# Altium PCB 驰风队20200806.PcbDoc (part 2 of 3)
Units mil, origin at the board's own origin, x right, y up, seen from the top; angles counter-clockwise.
Board outline 3947.04 x 2372.23 mil, 2 copper layers (Top Layer, Bottom Layer); 111 components, 82 nets, 374 pads, 168 vias.
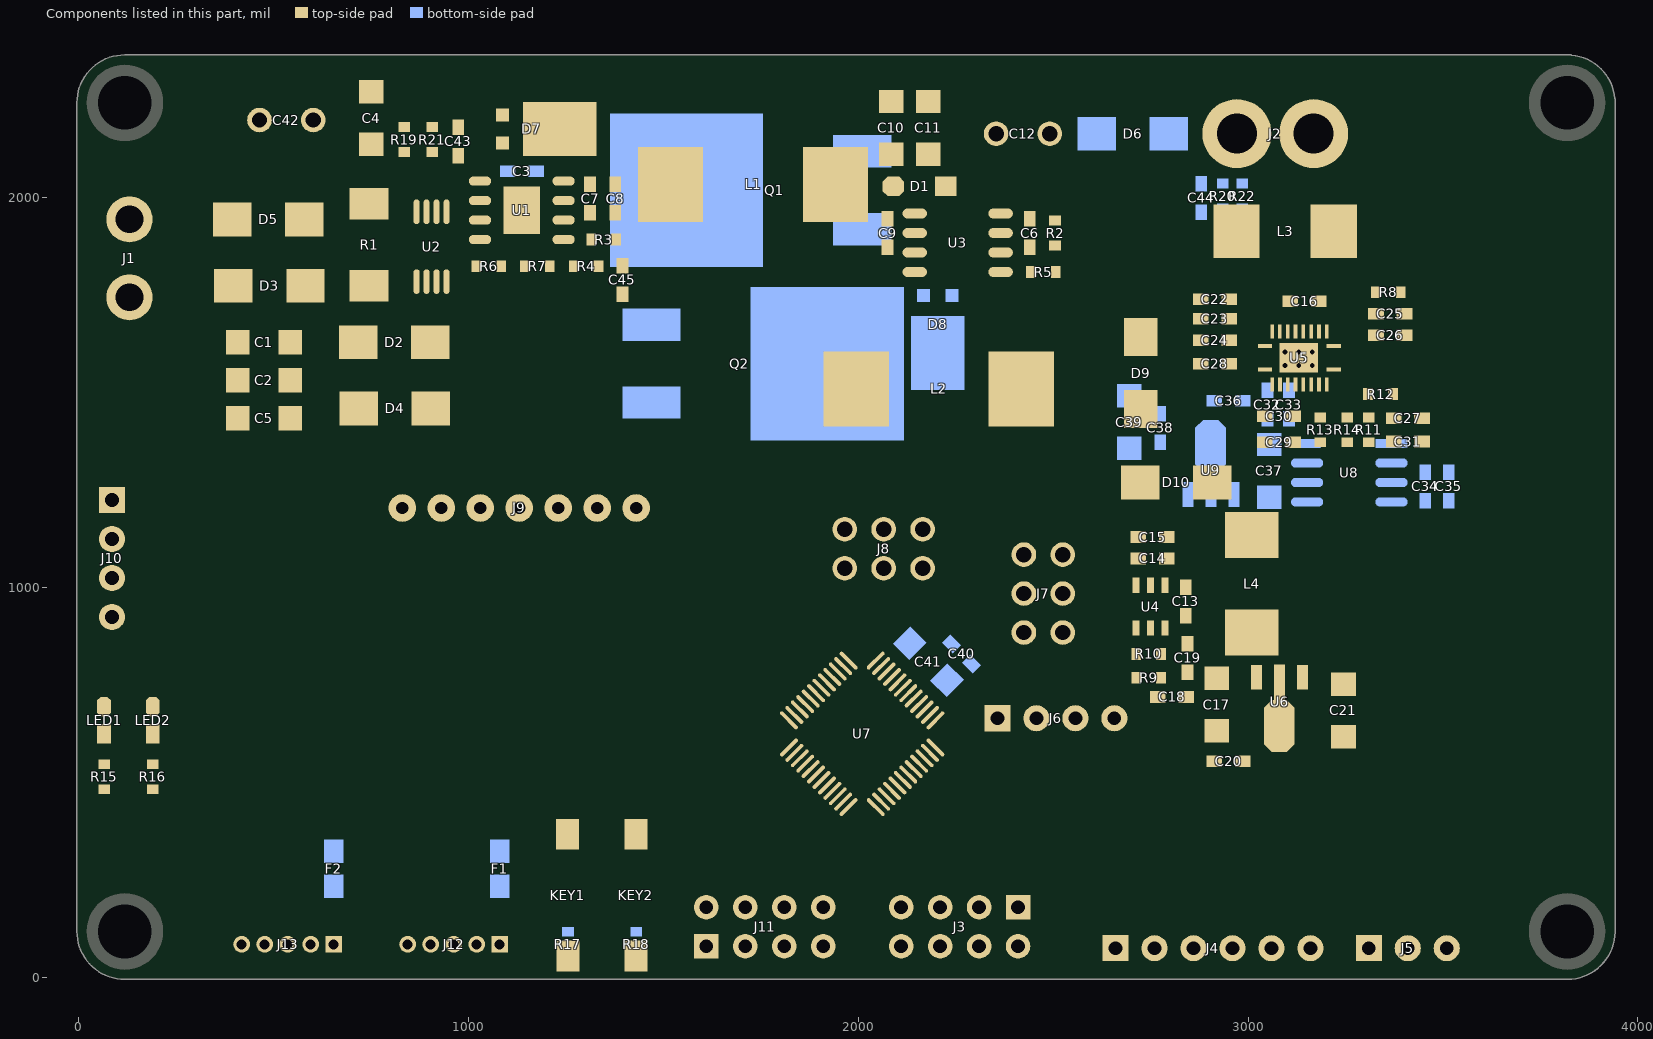
[diagram p2: the components of this part, seen from the top]

## Via types
v1: diameter 20, hole 12, Top Layer to Bottom Layer, 162 vias
v2: diameter 19.68, hole 7.87, Top Layer to Bottom Layer, 6 vias

## Nets (pads, with @x,y where several pads share a name; then routed paths per layer and width w, separated by ;. In a path a pad name is that pad's centre, name@x,y a point inside that pad or via, vN(x,y) a via of type N, cw(c..) or ccw(c..) an arc to the next point about the centre after c; other vN are vias at no path point) (continued)
copper on no net: (continued)
  Top Layer w1.5: 3445,1894.5 3455.5,1894.5 ; 3445,1896 3455.5,1896 ; 3445,1897.5 3455.5,1897.5 ; 3445,1899 3455.5,1899 ; 3445,1900.5 3455.5,1900.5 ; 3445,1902 3455.5,1902 ; 3445,1903.5 3455.5,1903.5 ; 3445,1905 3455.5,1905 ; 3445,1906.5 3455.5,1906.5 ; 3445,1908 3455.5,1908 ; 3445,1909.5 3455.5,1909.5 ; 3445,1911 3455.5,1911 ; 3445,1912.5 3455.5,1912.5 ; 3445,1914 3455.5,1914 ; 3446.5,1876.5 3457,1876.5 ; 3446.5,1878 3457,1878 ; 3446.5,1879.5 3457,1879.5 ; 3446.5,1881 3457,1881 ; 3446.5,1882.5 3457,1882.5 ; 3446.5,1884 3457,1884 ; 3446.5,1885.5 3457,1885.5 ; 3446.5,1887 3455.5,1887 ; 3446.5,1888.5 3455.5,1888.5 ; 3446.5,1890 3455.5,1890 ; 3446.5,1891.5 3455.5,1891.5 ; 3446.5,1893 3455.5,1893 ; 3446.5,1915.5 3455.5,1915.5 ; 3446.5,1917 3455.5,1917 ; 3446.5,1918.5 3455.5,1918.5 ; 3446.5,1920 3455.5,1920 ; 3446.5,1921.5 3455.5,1921.5 ; 3446.5,1923 3455.5,1923 ; 3446.5,1924.5 3457,1924.5 ; 3446.5,1926 3457,1926 ; 3446.5,1927.5 3457,1927.5 ; 3446.5,1929 3457,1929 ; 3446.5,1930.5 3457,1930.5 ; 3448,1867.5 3458.5,1867.5 ; 3448,1869 3458.5,1869 ; 3448,1870.5 3458.5,1870.5 ; 3448,1872 3458.5,1872 ; 3448,1873.5 3457,1873.5 ; 3448,1875 3457,1875 ; 3448,1932 3457,1932 ; 3448,1933.5 3457,1933.5 ; 3448,1935 3457,1935 ; 3448,1936.5 3458.5,1936.5 ; 3448,1938 3458.5,1938 ; 3448,1939.5 3458.5,1939.5 ; 3448,1941 3458.5,1941 ; 3448,1942.5 3458.5,1942.5 ; 3449.5,1858.5 3460,1858.5 ; 3449.5,1860 3460,1860 ; 3449.5,1861.5 3460,1861.5 ; 3449.5,1863 3460,1863 ; 3449.5,1864.5 3458.5,1864.5 ; 3449.5,1866 3458.5,1866 ; 3449.5,1944 3458.5,1944 ; 3449.5,1945.5 3460,1945.5 ; 3449.5,1947 3460,1947 ; 3449.5,1948.5 3460,1948.5 ; 3449.5,1950 3460,1950 ; 3451,1852.5 3461.5,1852.5 ; 3451,1854 3461.5,1854 ; 3451,1855.5 3461.5,1855.5 ; 3451,1857 3460,1857 ; 3451,1951.5 3460,1951.5 ; 3451,1953 3461.5,1953 ; 3451,1954.5 3461.5,1954.5 ; 3451,1956 3461.5,1956 ; 3452.5,1846.5 3463,1846.5 ; 3452.5,1848 3463,1848 ; 3452.5,1849.5 3463,1849.5 ; 3452.5,1851 3461.5,1851 ; 3452.5,1957.5 3461.5,1957.5 ; 3452.5,1959 3463,1959 ; 3452.5,1960.5 3463,1960.5 ; 3452.5,1962 3463,1962 ; 3454,1840.5 3464.5,1840.5 ; 3454,1842 3464.5,1842 ; 3454,1843.5 3464.5,1843.5 ; 3454,1845 3464.5,1845 ; 3454,1963.5 3464.5,1963.5 ; 3454,1965 3464.5,1965 ; 3454,1966.5 3464.5,1966.5 ; 3454,1968 3464.5,1968 ; 3455.5,1836 3466,1836 ; 3455.5,1837.5 3466,1837.5 ; 3455.5,1839 3466,1839 ; 3455.5,1969.5 3466,1969.5 ; 3455.5,1971 3466,1971 ; 3455.5,1972.5 3466,1972.5 ; 3457,1831.5 3469,1831.5 ; 3457,1833 3467.5,1833 ; 3457,1834.5 3467.5,1834.5 ; 3457,1974 3467.5,1974 ; 3457,1975.5 3467.5,1975.5 ; 3457,1977 3467.5,1977 ; 3458.5,1827 3470.5,1827 ; 3458.5,1828.5 3469,1828.5 ; 3458.5,1830 3469,1830 ; 3458.5,1978.5 3469,1978.5 ; 3458.5,1980 3469,1980 ; 3458.5,1981.5 3470.5,1981.5 ; 3460,1824 3470.5,1824 ; 3460,1825.5 3470.5,1825.5 ; 3460,1983 3470.5,1983 ; 3460,1984.5 3470.5,1984.5 ; 3461.5,1819.5 3473.5,1819.5 ; 3461.5,1821 3472,1821 ; 3461.5,1822.5 3472,1822.5 ; 3461.5,1986 3472,1986 ; 3461.5,1987.5 3472,1987.5 ; 3461.5,1989 3473.5,1989 ; 3463,1816.5 3475,1816.5 ; 3463,1818 3473.5,1818 ; 3463,1990.5 3473.5,1990.5 ; 3463,1992 3475,1992 ; 3464.5,1813.5 3476.5,1813.5 ; 3464.5,1815 3475,1815 ; 3464.5,1993.5 3475,1993.5 ; 3464.5,1995 3475,1995 ; 3464.5,1996.5 3476.5,1996.5 ; 3466,1809 3478,1809 ; 3466,1810.5 3476.5,1810.5 ; 3466,1812 3476.5,1812 ; 3466,1902 3496,1902 ; 3466,1903.5 3496,1903.5 ; 3466,1905 3496,1905 ; 3466,1914 3496,1914 ; 3466,1915.5 3496,1915.5 ; 3466,1917 3496,1917 ; 3466,1998 3476.5,1998 ; 3466,1999.5 3478,1999.5 ; 3467.5,1806 3479.5,1806 ; 3467.5,1807.5 3478,1807.5 ; 3467.5,1876.5 3473.5,1876.5 ; 3467.5,1884 3484,1884 ; 3467.5,1885.5 3496,1885.5 ; 3467.5,1887 3496,1887 ; 3467.5,1888.5 3478,1888.5 ; 3467.5,1926 3496,1926 ; 3467.5,1927.5 3493,1927.5 ; 3467.5,1929 3485.5,1929 ; 3467.5,1930.5 3472,1930.5 ; 3467.5,2001 3478,2001 ; 3467.5,2002.5 3479.5,2002.5 ; 3469,1803 3481,1803 ; 3469,1804.5 3481,1804.5 ; 3469,1873.5 3493,1873.5 ; 3469,1875 3484,1875 ; 3469,1944 3499,1944 ; 3469,2004 3479.5,2004 ; 3469,2005.5 3481,2005.5 ; 3470.5,1800 3482.5,1800 ; 3470.5,1801.5 3482.5,1801.5 ; 3470.5,1872 3499,1872 ; 3470.5,1890 3478,1890 ; 3470.5,1945.5 3490,1945.5 ; 3470.5,1947 3479.5,1947 ; 3470.5,2007 3482.5,2007 ; 3470.5,2008.5 3482.5,2008.5 ; 3472,1797 3484,1797 ; 3472,1798.5 3484,1798.5 ; 3472,1891.5 3481,1891.5 ; 3472,2010 3484,2010 ; 3472,2011.5 3484,2011.5 ; 3473.5,1795.5 3485.5,1795.5 ; 3473.5,1851 3475,1851 ; 3473.5,1852.5 3478,1852.5 ; 3473.5,1854 3479.5,1854 ; 3473.5,1855.5 3482.5,1855.5 ; 3473.5,1893 3482.5,1893 ; 3473.5,1960.5 3479.5,1960.5 ; 3473.5,1962 3478,1962 ; 3473.5,1963.5 3478,1963.5 ; 3473.5,1965 3478,1965 ; 3473.5,2013 3485.5,2013 ; 3475,1792.5 3487,1792.5 ; 3475,1794 3485.5,1794 ; 3475,1857 3484,1857 ; 3475,1942.5 3499,1942.5 ; 3475,1957.5 3482.5,1957.5 ; 3475,1959 3481,1959 ; 3475,1966.5 3479.5,1966.5 ; 3475,1968 3479.5,1968 ; 3475,1969.5 3481,1969.5 ; 3475,2014.5 3485.5,2014.5 ; 3475,2016 3487,2016 ; 3476.5,1789.5 3488.5,1789.5 ; 3476.5,1791 3488.5,1791 ; 3476.5,1867.5 3481,1867.5 ; 3476.5,1869 3481,1869 ; 3476.5,1870.5 3499,1870.5 ; 3476.5,1894.5 3485.5,1894.5 ; 3476.5,1956 3482.5,1956 ; 3476.5,1971 3499,1971 ; 3476.5,2017.5 3488.5,2017.5 ; 3476.5,2019 3488.5,2019 ; 3478,1788 3490,1788 ; 3478,1858.5 3487,1858.5 ; 3478,1861.5 3491.5,1861.5 ; 3478,1863 3482.5,1863 ; 3478,1864.5 3482.5,1864.5 ; 3478,1866 3482.5,1866 ; 3478,1896 3487,1896 ; 3478,1924.5 3496,1924.5 ; 3478,1954.5 3481,1954.5 ; 3478,1972.5 3497.5,1972.5 ; 3478,2020.5 3490,2020.5 ; 3478,2022 3491.5,2022 ; 3479.5,1785 3491.5,1785 ; 3479.5,1786.5 3491.5,1786.5 ; 3479.5,1860 3490,1860 ; 3479.5,1912.5 3496,1912.5 ; 3479.5,1974 3494.5,1974 ; 3479.5,2023.5 3491.5,2023.5 ; 3481,1782 3494.5,1782 ; 3481,1783.5 3493,1783.5 ; 3481,1830 3487,1830 ; 3481,1888.5 3496,1888.5 ; 3481,1897.5 3488.5,1897.5 ; 3481,1930.5 3485.5,1930.5 ; 3481,1932 3485.5,1932 ; 3481,1933.5 3485.5,1933.5 ; 3481,1935 3485.5,1935 ; 3481,1936.5 3485.5,1936.5 ; 3481,2025 3493,2025 ; 3481,2026.5 3494.5,2026.5 ; 3482.5,1780.5 3494.5,1780.5 ; 3482.5,1824 3488.5,1824 ; 3482.5,1825.5 3487,1825.5 ; 3482.5,1827 3487,1827 ; 3482.5,1828.5 3487,1828.5 ; 3482.5,1831.5 3488.5,1831.5 ; 3482.5,1833 3490,1833 ; 3482.5,1834.5 3493,1834.5 ; 3482.5,1899 3491.5,1899 ; 3482.5,1938 3485.5,1938 ; 3482.5,1939.5 3487,1939.5 ; 3482.5,1941 3499,1941 ; 3482.5,2028 3494.5,2028 ; 3484,1777.5 3497.5,1777.5 ; 3484,1779 3496,1779 ; 3484,1821 3505,1821 ; 3484,1822.5 3490,1822.5 ; 3484,1836 3496,1836 ; 3484,1975.5 3490,1975.5 ; 3484,2029.5 3496,2029.5 ; 3484,2031 3497.5,2031 ; 3485.5,1776 3499,1776 ; 3485.5,1819.5 3502,1819.5 ; 3485.5,1863 3494.5,1863 ; 3485.5,1900.5 3493,1900.5 ; 3485.5,2032.5 3497.5,2032.5 ; 3487,1774.5 3499,1774.5 ; 3487,1818 3497.5,1818 ; 3487,1837.5 3499,1837.5 ; 3487,1864.5 3496,1864.5 ; 3487,2034 3499,2034 ; 3487,2035.5 3500.5,2035.5 ; 3488.5,1771.5 3502,1771.5 ; 3488.5,1773 3500.5,1773 ; 3488.5,1906.5 3494.5,1906.5 ; 3488.5,1923 3496,1923 ; 3488.5,2037 3502,2037 ; 3490,1770 3503.5,1770 ; 3490,1816.5 3493,1816.5 ; 3490,1839 3503.5,1839 ; 3490,1866 3499,1866 ; 3490,2038.5 3503.5,2038.5 ; 3491.5,1768.5 3503.5,1768.5 ; 3491.5,1806 3502,1806 ; 3491.5,1867.5 3500.5,1867.5 ; 3491.5,1869 3499,1869 ; 3491.5,1950 3496,1950 ; 3491.5,1969.5 3500.5,1969.5 ; 3491.5,2040 3503.5,2040 ; 3491.5,2041.5 3505,2041.5 ; 3493,1765.5 3506.5,1765.5 ; 3493,1767 3505,1767 ; 3493,1803 3496,1803 ; 3493,1804.5 3499,1804.5 ; 3493,1840.5 3506.5,1840.5 ; 3493,1951.5 3499,1951.5 ; 3493,1953 3500.5,1953 ; 3493,1954.5 3502,1954.5 ; 3493,2043 3506.5,2043 ; 3494.5,1764 3508,1764 ; 3494.5,1807.5 3503.5,1807.5 ; 3494.5,1968 3502,1968 ; 3494.5,2044.5 3508,2044.5 ; 3496,1762.5 3509.5,1762.5 ; 3496,1822.5 3508,1822.5 ; 3496,1939.5 3497.5,1939.5 ; 3496,1956 3502,1956 ; 3496,2046 3509.5,2046 ; 3497.5,1761 3511,1761 ; 3497.5,1809 3506.5,1809 ; 3497.5,1842 3508,1842 ; 3497.5,1957.5 3503.5,1957.5 ; 3497.5,1966.5 3503.5,1966.5 ; 3497.5,2047.5 3511,2047.5 ; 3499,1758 3514,1758 ; 3499,1759.5 3512.5,1759.5 ; 3499,1810.5 3508,1810.5 ; 3499,1824 3512.5,1824 ; 3499,1959 3503.5,1959 ; 3499,1960.5 3503.5,1960.5 ; 3499,1962 3503.5,1962 ; 3499,1963.5 3503.5,1963.5 ; 3499,1965 3503.5,1965 ; 3499,2049 3512.5,2049 ; 3499,2050.5 3514,2050.5 ; 3500.5,1756.5 3515.5,1756.5 ; 3500.5,1791 3511,1791 ; 3500.5,1843.5 3506.5,1843.5 ; 3500.5,2052 3514,2052 ; 3502,1755 3517,1755 ; 3502,1788 3506.5,1788 ; 3502,1789.5 3509.5,1789.5 ; 3502,1792.5 3514,1792.5 ; 3502,1794 3517,1794 ; 3502,1812 3518.5,1812 ; 3502,1825.5 3514,1825.5 ; 3502,2053.5 3515.5,2053.5 ; 3503.5,1753.5 3517,1753.5 ; 3503.5,1795.5 3518.5,1795.5 ; 3503.5,1797 3509.5,1797 ; 3503.5,1845 3506.5,1845 ; 3503.5,2055 3517,2055 ; 3505,1752 3518.5,1752 ; 3505,1798.5 3509.5,1798.5 ; 3505,1800 3511,1800 ; 3505,1813.5 3518.5,1813.5 ; 3505,2016 3515.5,2016 ; 3505,2017.5 3514,2017.5 ; 3505,2056.5 3518.5,2056.5 ; 3506.5,1750.5 3521.5,1750.5 ; 3506.5,1801.5 3512.5,1801.5 ; 3506.5,1803 3512.5,1803 ; 3506.5,1815 3520,1815 ; 3506.5,1827 3514,1827 ; 3506.5,2019 3512.5,2019 ; 3506.5,2058 3520,2058 ; 3508,1749 3523,1749 ; 3508,1780.5 3517,1780.5 ; 3508,1804.5 3514,1804.5 ; 3508,1887 3512.5,1887 ; 3508,1888.5 3512.5,1888.5 ; 3508,1890 3512.5,1890 ; 3508,1891.5 3512.5,1891.5 ; 3508,1893 3512.5,1893 ; 3508,1894.5 3512.5,1894.5 ; 3508,1896 3512.5,1896 ; 3508,1897.5 3512.5,1897.5 ; 3508,1899 3512.5,1899 ; 3508,1900.5 3512.5,1900.5 ; 3508,1902 3578.5,1902 ; 3508,1903.5 3575.5,1903.5 ; 3508,1905 3677.5,1905 ; 3508,1906.5 3677.5,1906.5 ; 3508,1908 3512.5,1908 ; 3508,1909.5 3512.5,1909.5 ; 3508,1911 3512.5,1911 ; 3508,1912.5 3512.5,1912.5 ; 3508,1914 3512.5,1914 ; 3508,1915.5 3512.5,1915.5 ; 3508,1917 3512.5,1917 ; 3508,1918.5 3512.5,1918.5 ; 3508,1920 3512.5,1920 ; 3508,1921.5 3512.5,1921.5 ; 3508,2014.5 3517,2014.5 ; 3508,2020.5 3512.5,2020.5 ; 3508,2035.5 3524.5,2035.5 ; 3508,2059.5 3521.5,2059.5 ; 3509.5,1747.5 3524.5,1747.5 ; 3509.5,1779 3514,1779 ; 3509.5,1782 3518.5,1782 ; 3509.5,1806 3514,1806 ; 3509.5,1807.5 3515.5,1807.5 ; 3509.5,1816.5 3520,1816.5 ; 3509.5,1828.5 3514,1828.5 ; 3509.5,1876.5 3514,1876.5 ; 3509.5,1878 3514,1878 ; 3509.5,1879.5 3514,1879.5 ; 3509.5,1881 3514,1881 ; 3509.5,1882.5 3514,1882.5 ; 3509.5,1884 3514,1884 ; 3509.5,1885.5 3512.5,1885.5 ; 3509.5,1923 3512.5,1923 ; 3509.5,1924.5 3512.5,1924.5 ; 3509.5,1926 3514,1926 ; 3509.5,1927.5 3514,1927.5 ; 3509.5,1929 3514,1929 ; 3509.5,1930.5 3514,1930.5 ; 3509.5,1932 3514,1932 ; 3509.5,2013 3523,2013 ; 3509.5,2022 3514,2022 ; 3509.5,2023.5 3515.5,2023.5 ; 3509.5,2034 3523,2034 ; 3509.5,2037 3517,2037 ; 3509.5,2061 3524.5,2061 ; 3511,1746 3526,1746 ; 3511,1777.5 3512.5,1777.5 ; 3511,1809 3515.5,1809 ; 3511,1810.5 3517,1810.5 ; 3511,1869 3515.5,1869 ; 3511,1870.5 3515.5,1870.5 ; 3511,1872 3515.5,1872 ; 3511,1873.5 3515.5,1873.5 ; 3511,1875 3514,1875 ; 3511,1933.5 3514,1933.5 ; 3511,1935 3515.5,1935 ; 3511,1936.5 3515.5,1936.5 ; 3511,1938 3515.5,1938 ; 3511,1939.5 3515.5,1939.5 ; 3511,2011.5 3521.5,2011.5 ; 3511,2025 3517,2025 ; 3511,2038.5 3515.5,2038.5 ; 3511,2062.5 3526,2062.5 ; 3512.5,1744.5 3527.5,1744.5 ; 3512.5,1783.5 3520,1783.5 ; 3512.5,1797 3521.5,1797 ; 3512.5,1818 3520,1818 ; 3512.5,1863 3517,1863 ; 3512.5,1864.5 3517,1864.5 ; 3512.5,1866 3517,1866 ; 3512.5,1867.5 3517,1867.5 ; 3512.5,1941 3515.5,1941 ; 3512.5,1942.5 3517,1942.5 ; 3512.5,1944 3517,1944 ; 3512.5,1945.5 3517,1945.5 ; 3512.5,2010 3523,2010 ; 3512.5,2026.5 3518.5,2026.5 ; 3512.5,2032.5 3523,2032.5 ; 3512.5,2040 3514,2040 ; 3512.5,2064 3527.5,2064 ; 3514,1743 3529,1743 ; 3514,1785 3523,1785 ; 3514,1798.5 3524.5,1798.5 ; 3514,1819.5 3518.5,1819.5 ; 3514,1858.5 3518.5,1858.5 ; 3514,1860 3518.5,1860 ; 3514,1861.5 3518.5,1861.5 ; 3514,1947 3517,1947 ; 3514,1948.5 3518.5,1948.5 ; 3514,1950 3518.5,1950 ; 3514,1951.5 3518.5,1951.5 ; 3514,2028 3535,2028 ; 3514,2029.5 3527.5,2029.5 ; 3514,2031 3524.5,2031 ; 3514,2065.5 3529,2065.5 ; 3515.5,1741.5 3530.5,1741.5 ; 3515.5,1786.5 3524.5,1786.5 ; 3515.5,1852.5 3521.5,1852.5 ; 3515.5,1854 3520,1854 ; 3515.5,1855.5 3520,1855.5 ; 3515.5,1857 3520,1857 ; 3515.5,1953 3520,1953 ; 3515.5,1954.5 3520,1954.5 ; 3515.5,1956 3520,1956 ; 3515.5,2008.5 3523,2008.5 ; 3515.5,2067 3530.5,2067 ; 3517,1740 3532,1740 ; 3517,1800 3526,1800 ; 3517,1821 3518.5,1821 ; 3517,1849.5 3521.5,1849.5 ; 3517,1851 3521.5,1851 ; 3517,1957.5 3521.5,1957.5 ; 3517,1959 3521.5,1959 ; 3517,1960.5 3521.5,1960.5 ; 3517,2007 3521.5,2007 ; 3517,2068.5 3532,2068.5 ; 3518.5,1738.5 3533.5,1738.5 ; 3518.5,1788 3526,1788 ; 3518.5,1845 3523,1845 ; 3518.5,1846.5 3523,1846.5 ; 3518.5,1848 3523,1848 ; 3518.5,1962 3523,1962 ; 3518.5,1963.5 3523,1963.5 ; 3518.5,1965 3524.5,1965 ; 3518.5,2005.5 3521.5,2005.5 ; 3518.5,2014.5 3524.5,2014.5 ; 3518.5,2070 3533.5,2070 ; 3520,1737 3536.5,1737 ; 3520,1789.5 3529,1789.5 ; 3520,1801.5 3529,1801.5 ; 3520,1842 3524.5,1842 ; 3520,1843.5 3524.5,1843.5 ; 3520,1966.5 3524.5,1966.5 ; 3520,1968 3524.5,1968 ; 3520,2016 3526,2016 ; 3520,2026.5 3533.5,2026.5 ; 3520,2071.5 3536.5,2071.5 ; 3521.5,1735.5 3538,1735.5 ; 3521.5,1765.5 3535,1765.5 ; 3521.5,1767 3538,1767 ; 3521.5,1791 3530.5,1791 ; 3521.5,1803 3529,1803 ; 3521.5,1837.5 3527.5,1837.5 ; 3521.5,1839 3526,1839 ; 3521.5,1840.5 3526,1840.5 ; 3521.5,1969.5 3526,1969.5 ; 3521.5,1971 3526,1971 ; 3521.5,2017.5 3526,2017.5 ; 3521.5,2025 3533.5,2025 ; 3521.5,2037 3526,2037 ; 3521.5,2038.5 3527.5,2038.5 ; 3521.5,2073 3538,2073 ; 3523,1764 3532,1764 ; 3523,1768.5 3529,1768.5 ; 3523,1770 3529,1770 ; 3523,1792.5 3532,1792.5 ; 3523,1834.5 3529,1834.5 ; 3523,1836 3527.5,1836 ; 3523,1972.5 3527.5,1972.5 ; 3523,1974 3527.5,1974 ; 3523,2019 3527.5,2019 ; 3523,2020.5 3538,2020.5 ; 3523,2040 3529,2040 ; 3523,2074.5 3539.5,2074.5 ; 3524.5,1734 3539.5,1734 ; 3524.5,1762.5 3529,1762.5 ; 3524.5,1771.5 3530.5,1771.5 ; 3524.5,1773 3530.5,1773 ; 3524.5,1804.5 3527.5,1804.5 ; 3524.5,1831.5 3530.5,1831.5 ; 3524.5,1833 3529,1833 ; 3524.5,1975.5 3529,1975.5 ; 3524.5,1977 3529,1977 ; 3524.5,2022 3536.5,2022 ; 3524.5,2023.5 3535,2023.5 ; 3524.5,2041.5 3541,2041.5 ; 3526,1732.5 3542.5,1732.5 ; 3526,1774.5 3532,1774.5 ; 3526,1794 3535,1794 ; 3526,1828.5 3532,1828.5 ; 3526,1830 3530.5,1830 ; 3526,1978.5 3530.5,1978.5 ; 3526,1980 3530.5,1980 ; 3526,2043 3539.5,2043 ; 3526,2044.5 3536.5,2044.5 ; 3526,2076 3541,2076 ; 3527.5,1731 3544,1731 ; 3527.5,1776 3532,1776 ; 3527.5,1777.5 3533.5,1777.5 ; 3527.5,1795.5 3533.5,1795.5 ; 3527.5,1825.5 3533.5,1825.5 ; 3527.5,1827 3532,1827 ; 3527.5,1981.5 3532,1981.5 ; 3527.5,1983 3532,1983 ; 3527.5,2046 3535,2046 ; 3527.5,2077.5 3544,2077.5 ; 3529,1729.5 3545.5,1729.5 ; 3529,1779 3535,1779 ; 3529,1780.5 3535,1780.5 ; 3529,1797 3533.5,1797 ; 3529,1824 3533.5,1824 ; 3529,1984.5 3533.5,1984.5 ; 3529,1986 3535,1986 ; 3529,2019 3541,2019 ; 3529,2047.5 3533.5,2047.5 ; 3529,2079 3545.5,2079 ; 3530.5,1728 3548.5,1728 ; 3530.5,1768.5 3542.5,1768.5 ; 3530.5,1782 3536.5,1782 ; 3530.5,1783.5 3536.5,1783.5 ; 3530.5,1821 3542.5,1821 ; 3530.5,1822.5 3545.5,1822.5 ; 3530.5,1987.5 3544,1987.5 ; 3530.5,1989 3541,1989 ; 3530.5,2017.5 3542.5,2017.5 ; 3530.5,2029.5 3536.5,2029.5 ; 3530.5,2049 3532,2049 ; 3530.5,2080.5 3548.5,2080.5 ; 3532,1785 3538,1785 ; 3532,1786.5 3538,1786.5 ; 3532,1818 3538,1818 ; 3532,1819.5 3539.5,1819.5 ; 3532,1990.5 3538,1990.5 ; 3532,2031 3536.5,2031 ; 3532,2040 3542.5,2040 ; 3533.5,1726.5 3550,1726.5 ; 3533.5,1770 3545.5,1770 ; 3533.5,1788 3539.5,1788 ; 3533.5,1789.5 3538,1789.5 ; 3533.5,1816.5 3538,1816.5 ; 3533.5,1992 3538,1992 ; 3533.5,1993.5 3539.5,1993.5 ; 3533.5,2016 3544,2016 ; 3533.5,2032.5 3538,2032.5 ; 3533.5,2038.5 3544,2038.5 ; 3533.5,2082 3550,2082 ; 3535,1725 3553,1725 ; 3535,1791 3536.5,1791 ; 3535,1813.5 3541,1813.5 ; 3535,1815 3539.5,1815 ; 3535,1995 3539.5,1995 ; 3535,2014.5 3544,2014.5 ; 3535,2034 3542.5,2034 ; 3535,2035.5 3544,2035.5 ; 3535,2037 3545.5,2037 ; 3535,2083.5 3553,2083.5 ; 3536.5,1723.5 3554.5,1723.5 ; 3536.5,1750.5 3544,1750.5 ; 3536.5,1771.5 3548.5,1771.5 ; 3536.5,1812 3542.5,1812 ; 3536.5,1996.5 3541,1996.5 ; 3536.5,1998 3542.5,1998 ; 3536.5,2013 3542.5,2013 ; 3536.5,2085 3554.5,2085 ; 3538,1749 3544,1749 ; 3538,1752 3544,1752 ; 3538,1753.5 3545.5,1753.5 ; 3538,1809 3544,1809 ; 3538,1810.5 3542.5,1810.5 ; 3538,1824 3548.5,1824 ; 3538,1885.5 3544,1885.5 ; 3538,1887 3544,1887 ; 3538,1888.5 3542.5,1888.5 ; 3538,1890 3542.5,1890 ; 3538,1891.5 3542.5,1891.5 ; 3538,1893 3542.5,1893 ; 3538,1894.5 3542.5,1894.5 ; 3538,1896 3542.5,1896 ; 3538,1897.5 3542.5,1897.5 ; 3538,1899 3542.5,1899 ; 3538,1900.5 3542.5,1900.5 ; 3538,1908 3542.5,1908 ; 3538,1909.5 3542.5,1909.5 ; 3538,1911 3542.5,1911 ; 3538,1912.5 3542.5,1912.5 ; 3538,1914 3542.5,1914 ; 3538,1915.5 3542.5,1915.5 ; 3538,1917 3542.5,1917 ; 3538,1918.5 3542.5,1918.5 ; 3538,1920 3542.5,1920 ; 3538,1921.5 3544,1921.5 ; 3538,1986 3547,1986 ; 3538,1999.5 3544,1999.5 ; 3538,2011.5 3541,2011.5 ; 3539.5,1722 3557.5,1722 ; 3539.5,1747.5 3547,1747.5 ; 3539.5,1755 3547,1755 ; 3539.5,1773 3551.5,1773 ; 3539.5,1807.5 3545.5,1807.5 ; 3539.5,1876.5 3545.5,1876.5 ; 3539.5,1878 3545.5,1878 ; 3539.5,1879.5 3544,1879.5 ; 3539.5,1881 3544,1881 ; 3539.5,1882.5 3544,1882.5 ; 3539.5,1884 3544,1884 ; 3539.5,1923 3544,1923 ; 3539.5,1924.5 3544,1924.5 ; 3539.5,1926 3544,1926 ; 3539.5,1927.5 3544,1927.5 ; 3539.5,1929 3544,1929 ; 3539.5,1930.5 3545.5,1930.5 ; 3539.5,1984.5 3550,1984.5 ; 3539.5,2001 3544,2001 ; 3539.5,2002.5 3545.5,2002.5 ; 3539.5,2086.5 3557.5,2086.5 ; 3541,1720.5 3559,1720.5 ; 3541,1746 3548.5,1746 ; 3541,1756.5 3547,1756.5 ; 3541,1806 3547,1806 ; 3541,1825.5 3551.5,1825.5 ; 3541,1870.5 3547,1870.5 ; 3541,1872 3545.5,1872 ; 3541,1873.5 3545.5,1873.5 ; 3541,1875 3545.5,1875 ; 3541,1932 3545.5,1932 ; 3541,1933.5 3545.5,1933.5 ; 3541,1935 3545.5,1935 ; 3541,1936.5 3545.5,1936.5 ; 3541,1938 3547,1938 ; 3541,2004 3547,2004 ; 3541,2088 3559,2088 ; 3542.5,1744.5 3550,1744.5 ; 3542.5,1758 3554.5,1758 ; 3542.5,1774.5 3553,1774.5 ; 3542.5,1803 3548.5,1803 ; 3542.5,1804.5 3547,1804.5 ; 3542.5,1864.5 3548.5,1864.5 ; 3542.5,1866 3547,1866 ; 3542.5,1867.5 3547,1867.5 ; 3542.5,1869 3547,1869 ; 3542.5,1939.5 3547,1939.5 ; 3542.5,1941 3547,1941 ; 3542.5,1942.5 3547,1942.5 ; 3542.5,1944 3548.5,1944 ; 3542.5,1983 3553,1983 ; 3542.5,2005.5 3548.5,2005.5 ; 3542.5,2089.5 3562,2089.5 ; 3544,1719 3562,1719 ; 3544,1759.5 3551.5,1759.5 ; 3544,1761 3551.5,1761 ; 3544,1801.5 3550,1801.5 ; 3544,1827 3554.5,1827 ; 3544,1860 3550,1860 ; 3544,1861.5 3548.5,1861.5 ; 3544,1863 3548.5,1863 ; 3544,1945.5 3548.5,1945.5 ; 3544,1947 3548.5,1947 ; 3544,1948.5 3550,1948.5 ; 3544,2007 3550,2007 ; 3545.5,1717.5 3565,1717.5 ; 3545.5,1743 3551.5,1743 ; 3545.5,1762.5 3553,1762.5 ; 3545.5,1800 3551.5,1800 ; 3545.5,1855.5 3551.5,1855.5 ; 3545.5,1857 3550,1857 ; 3545.5,1858.5 3550,1858.5 ; 3545.5,1950 3550,1950 ; 3545.5,1951.5 3550,1951.5 ; 3545.5,1953 3551.5,1953 ; 3545.5,1981.5 3556,1981.5 ; 3545.5,2008.5 3550,2008.5 ; 3545.5,2010 3551.5,2010 ; 3545.5,2091 3565,2091 ; 3547,1741.5 3554.5,1741.5 ; 3547,1764 3554.5,1764 ; 3547,1776 3551.5,1776 ; 3547,1798.5 3553,1798.5 ; 3547,1828.5 3563.5,1828.5 ; 3547,1851 3553,1851 ; 3547,1852.5 3551.5,1852.5 ; 3547,1854 3551.5,1854 ; 3547,1954.5 3551.5,1954.5 ; 3547,1956 3551.5,1956 ; 3547,1957.5 3553,1957.5 ; 3547,2011.5 3553,2011.5 ; 3547,2067 3554.5,2067 ; 3547,2068.5 3554.5,2068.5 ; 3547,2070 3554.5,2070 ; 3547,2092.5 3566.5,2092.5 ; 3548.5,1716 3568,1716 ; 3548.5,1740 3556,1740 ; 3548.5,1765.5 3554.5,1765.5 ; 3548.5,1797 3554.5,1797 ; 3548.5,1846.5 3554.5,1846.5 ; 3548.5,1848 3554.5,1848 ; 3548.5,1849.5 3553,1849.5 ; 3548.5,1959 3553,1959 ; 3548.5,1960.5 3554.5,1960.5 ; 3548.5,1962 3554.5,1962 ; 3548.5,1980 3563.5,1980 ; 3548.5,2013 3554.5,2013 ; 3548.5,2065.5 3556,2065.5 ; 3550,1714.5 3571,1714.5 ; 3550,1738.5 3554.5,1738.5 ; 3550,1756.5 3556,1756.5 ; 3550,1767 3562,1767 ; 3550,1768.5 3560.5,1768.5 ; 3550,1795.5 3556,1795.5 ; 3550,1830 3563.5,1830 ; 3550,1843.5 3556,1843.5 ; 3550,1845 3554.5,1845 ; 3550,1963.5 3554.5,1963.5 ; 3550,1965 3556,1965 ; 3550,2014.5 3556,2014.5 ; 3550,2062.5 3557.5,2062.5 ; 3550,2064 3556,2064 ; 3550,2071.5 3557.5,2071.5 ; 3550,2094 3569.5,2094 ; 3551.5,1755 3557.5,1755 ; 3551.5,1770 3557.5,1770 ; 3551.5,1794 